# Altium PCB RP2040_GSM.PcbDoc (part 4 of 4)
Units mil, origin at the board's own origin, x right, y up, seen from the top; angles counter-clockwise.
Board outline 6397 x 3950 mil, 4 copper layers (Top Layer, GND_LAYER, PWR_LAYER, Bottom Layer), stack 43.712 mil thick; 216 components, 143 nets, 777 pads, 222 vias.
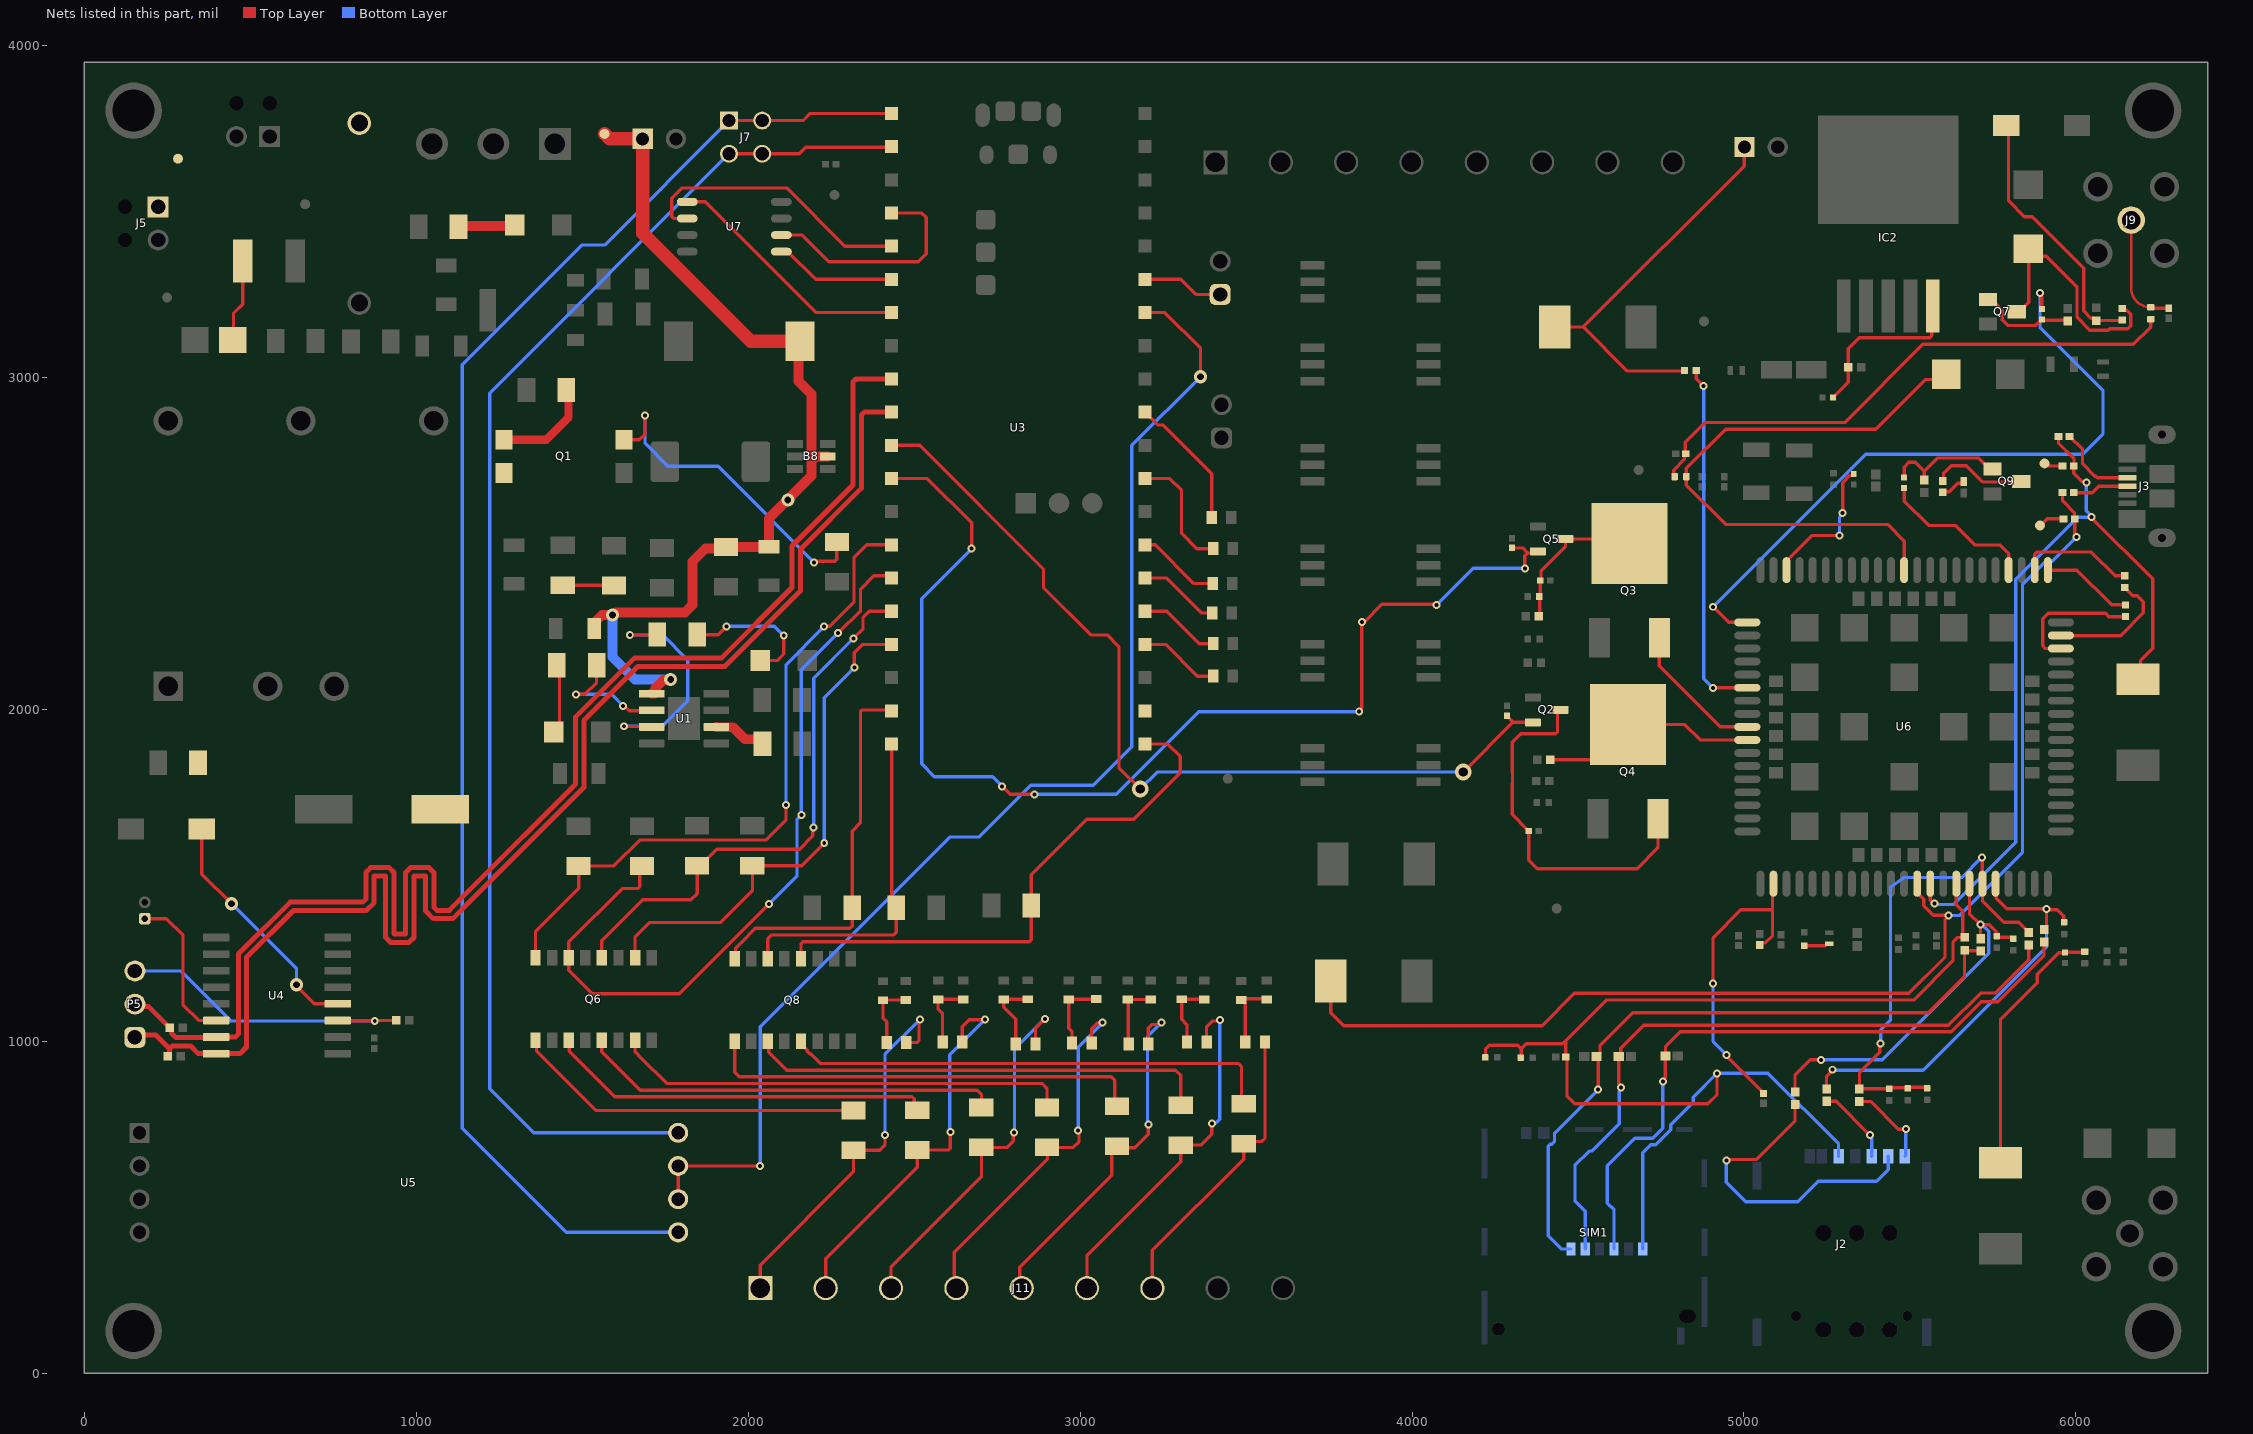
[diagram p6: the nets of this part, all layers, seen from the top]

## Via types
v1: diameter 40, hole 20, Top Layer to Bottom Layer, 92 vias
v2: diameter 24, hole 12, Top Layer to Bottom Layer, 81 vias
v3: diameter 31.5, hole 15.75, Top Layer to Bottom Layer, 47 vias
v4: diameter 50, hole 28, Top Layer to Bottom Layer, 2 vias

## Nets (pads, with @x,y where several pads share a name; then routed paths per layer and width w, separated by ;. In a path a pad name is that pad's centre, name@x,y a point inside that pad or via, vN(x,y) a via of type N, cw(c..) or ccw(c..) an arc to the next point about the centre after c; other vN are vias at no path point) (continued)
NetC24_2: C24.2 R21.2 SIM1.C2 | length 2018.6
  Top Layer w10: v2(4756,880.17) 4756,883.96 4762.64,890.6 4762.64,954.82 C24.2@4764,956.17 4764,985.19 4807.81,1029 5624.6,1029 5715.33,1119.73 5764.73,1119.73 5904.13,1259.13 5904.13,1299 R21.2@5905.55,1300.42
  Bottom Layer w10: SIM1.C2@4608.69,375 4608.69,492.7 4588.09,513.3 4588.09,625.09 4671.9,708.89 4725.8,708.89 4756,739.09 v2(4756,880.17)
NetC25_2: C25.2 R22.2 SIM1.C3 | length 2069.7
  Top Layer w10: v2(4630.31,861.16) 4630.31,864.95 4623,872.26 C25.2@4623,955.17 4629.28,961.45 4629.28,980.28 4698,1049 5616.32,1049 5713.32,1146 5757.17,1146 5858,1246.83 R22.2@5858,1291
  Bottom Layer w10: SIM1.C3@4522.08,375 4522.08,488.45 4490.95,519.59 4490.95,627.14 4533.81,670 4542.13,670 4624,751.87 4624,851.06 4630.31,857.37 v2(4630.31,861.16)
NetC26_2: C26.2 R23.2 R24.2 SIM1.C7 | length 2043.5
  Top Layer w10: v2(4561,855.17) 4561,950.01 C26.2@4555.84,955.17 4557.19,955.17 4566.21,964.19 4566.21,987.82 4665.39,1087 5555.54,1087 5665,1196.46 R24.2@5665,1275.31 ; R24.2@5665,1275.31 5666.51,1273.81 5711.49,1273.81 R23.2@5713,1272.3
  Bottom Layer w10: SIM1.C7@4478.77,375 4449.99,375 4410.31,414.68 4410.31,684.85 4416.17,690.71 4420.61,690.71 4429.4,699.5 4429.4,723.57 v2(4561,855.17)
NetC27_1: C27.1 R25.1 R26.2 | length 1689
  Top Layer w10: R26.2@4791.28,2702 4788.44,2704.84 4788.44,2721.97 4821.02,2754.55 4821.02,2767.1 C27.1@4824.92,2771 ; C27.1@4822.97,2772.95 4822.97,2806.26 4881.71,2865 5304,2865 5539.64,3100.64 6173.69,3100.64 6226,3152.95 R25.1@6226,3176.74
NetC28_1: C28.1 J9.1 R25.2 | length 351.7
  Top Layer w8.04: J9.1@6167,3475 6167,3271.18 ccw(c6226,3271.18) 6219.19,3212.57 R25.2@6226,3212.18
  Top Layer w10: R25.2@6226,3212.18 6229.06,3209.12 C28.1@6279.94,3209.12
NetC31_2: C31.2 R76.1 U6.90 | length 954.6
  Top Layer w10: v2(4907,1175) 4907,1313 4990.82,1396.82 5086.48,1396.82 ; v2(4947,960) 4947,956.45 5059.17,844.28 C31.2@5059.17,843.49 ; R76.1@5048,1291.27 5053.83,1297.09 5065.04,1297.09 5086.48,1318.53 5086.48,1396.82 ; U6.90@5089.09,1475.56 5086.48,1472.95 5086.48,1396.82
  Bottom Layer w10: v2(4907,1175) 4907,1000 v2(4947,960)
NetC35_2: C35.2 D15.2 R83.2 | length 786.7
  Top Layer w10: D15.2@5773,634.92 5773,1066 5884.42,1177.42 5884.42,1203.4 5948.86,1267.83 R83.2@5968,1267.83 5969.21,1269.05 6027.17,1269.05 C35.2@6027.17,1271.16
NetCN2_1: CN2.1 D12.2 R74.2 | length 1204.5
  Top Layer w10: D12.2@4430.08,3143.78 D12.2@4430.08,3153 ; D12.2@4430.08,3157.92 D12.2@4430.08,3153 ; R74.2@4821.28,3022 4819.43,3020.14 4648.86,3020.14 4516,3153 ; CN2.1@5002,3695 5001,3694 5001,3638 4516,3153 ; D12.2@4430.08,3153 4516,3153
NetD1_1: D1.1 R3.2 | length 417.3
  Top Layer w10: R3.2@1846,2226 1910,2226 v2(1935,2251) ; D1.1@2036.13,2148 2087.32,2148 2107,2167.68 v2(2107,2223)
  Bottom Layer w10: v2(1935,2251) 2079,2251 v2(2107,2223)
NetD2_1: D2.1 R5.2 | length 171.2
  Top Layer w30: R5.2@1127.04,3455 1129.54,3457.5 1293.63,3457.5 D2.1@1296.13,3460
NetD3_1: D3.1 PTC_F1.1 | length 250.4
  Top Layer w10: D3.1@447.09,3114 449,3115.91 449,3194 477,3222 PTC_F1.1@477,3352
NetD6_2: D6.2 R26.1 U6.60 | length 1762.7
  Top Layer w10: R26.1@4826.72,2701.02 4826.72,2676.85 4945.57,2558 5432.92,2558 5482.79,2508.13 U6.60@5482.79,2420.44 ; R26.1@4826.72,2702 4826.72,2726.72 4945,2845 5397.38,2845 5547.02,2994.64 5594.19,2994.64 D6.2@5609.54,3010
NetD11_2: D11.2 Q7.3 R70.1 | length 744.8
  Top Layer w10: Q7.3@5822.31,3199 5830.18,3199 5858,3226.82 D11.2@5858,3387.54 ; D11.2@5857,3388.54 D11.2@5858,3387.54 ; R70.1@6140,3209.18 6145.83,3203.35 6153.26,3203.35 6165.83,3190.78 6165.83,3156.7 6157.04,3147.92 6102.1,3147.92 6097.49,3143.31 6042.55,3143.31 6003.8,3182.06 6003.8,3273.2 5910.63,3366.37 5879.17,3366.37 D11.2@5858,3387.54
NetD14_1: D14.1 R80.1 | length 77.7
  Top Layer w10: R80.1@5599,2655.83 5600.14,2656.97 5618.97,2656.97 5644.02,2682.02 5658.16,2682.02 5663,2686.86 D14.1@5663,2687.72
NetDS1_1: DS1.1 R4.2 | length 211.4
  Top Layer w10: DS1.1@1414.13,1933 1431.13,1950 1431.13,2125.83 R4.2@1422.96,2134
NetDS2_2: DS2.2 DS10.1 R58.1 | length 201.7
  Top Layer w10: DS10.1@2409.44,1124.96 2474.5,1124.96 DS2.2@2475,1125.46 ; DS10.1@2409.94,1124.46 DS10.1@2406,1124.46 2406,1071 2416.94,1060.06 R58.1@2416.94,997
NetDS3_2: DS3.2 DS11.1 R59.1 | length 210.9
  Top Layer w10: DS11.1@2573,1127 DS3.2@2647.46,1127 ; DS11.1@2577.21,1126.73 2572,1121.52 2572,1097 2585.47,1083.53 R59.1@2585.47,998
NetDS4_2: DS4.2 DS12.1 R60.1 | length 221
  Top Layer w10: R60.1@2806.47,993 2806.47,1067.53 2770,1104 DS12.1@2770,1126.46 2771,1127.46 DS4.2@2842,1127.46
NetDS5_2: DS5.2 DS13.1 R61.1 | length 218
  Top Layer w10: R61.1@2975.47,995 2975.47,1030.53 2966,1040 DS13.1@2966,1126.46 2966.77,1127.23 3047.23,1127.23 DS5.2@3048,1128
NetDS6_2: DS6.2 DS14.1 R62.1 | length 204.1
  Top Layer w10: R62.1@3146,992 3145,993 3145,1117.46 DS14.1@3147.5,1119.96 ; DS14.1@3148,1122.46 DS14.1@3144,1126.46 DS6.2@3213,1126.46
NetDS7_2: DS7.2 DS15.1 R63.1 | length 208.4
  Top Layer w10: DS15.1@3302.06,1127.46 DS15.1@3306,1127.46 ; R63.1@3322,998 3322,1051 3306,1067 DS15.1@3306,1127.46 ; DS7.2@3374,1126.46 3373,1127.46 DS15.1@3306,1127.46
NetDS8_2: DS8.2 DS16.1 R64.1 | length 210.4
  Top Layer w10: DS16.1@3485,1125.46 3488.94,1125.46 3495.75,1118.65 3495.75,1114.71 3498,1112.46 R64.1@3498,998 ; DS16.1@3488,1128.46 3559,1128.46 DS8.2@3562,1131.46
NetIC2_5: IC2.5 R6.2 R7.2 | length 523.7
  Top Layer w10: R7.2@5268.9,2941 5314.31,2986.41 R6.2@5314.31,3032 5314.31,3087.68 5347.27,3120.64 5559.64,3120.64 5566.35,3127.35 5566.35,3213.33 IC2.5@5569.02,3216
NetJ2_C2: J2.C2 R53.2 | length 238.8
  Top Layer w10: R53.2@5249.17,820 5278,820 v2(5380,718)
  Bottom Layer w10: v2(5380,718) 5380,714.21 5385.28,708.94 J2.C2@5385.28,654.44
NetJ2_C3: J2.C3 R50.2 | length 257.2
  Top Layer w10: R50.2@5348.17,819.83 5348.67,819.33 5381.68,819.33 5465.01,736 v2(5488,736)
  Bottom Layer w10: J2.C3@5485.28,654.44 5488,657.17 v2(5488,736)
NetJ2_C7: J2.C7 R65.2 | length 964.8
  Top Layer w10: v2(4947,642) 4949.68,644.68 5038.1,644.68 5154.17,760.75 R65.2@5154.17,810
  Bottom Layer w10: v2(4947,642) 4947,576 5006,517 5161.66,517 5223.47,578.81 5399.81,578.81 5435.28,614.28 J2.C7@5435.28,654.44
NetJ3_2: J3.2 R66.1 | length 251.3
  Top Layer w10: R66.1@5981.46,2823 5982.45,2823 6020.54,2784.91 6020.54,2740.46 6057.41,2703.59 6060.56,2703.59 6065.47,2698.68 J3.2@6155.28,2698.68
NetJ3_3: J3.3 R67.1 | length 168.5
  Top Layer w10: R67.1@5994.72,2654 6050.33,2654 6069.42,2673.09 J3.3@6155.28,2673.09
NetL1_2: L1.2 R75.1 | length 77.3
  Top Layer w10: R75.1@5182,1288.82 5182.17,1288.99 5245.65,1288.99 5251.09,1294.44 L1.2@5257,1294.44
NetP2_1: P2.1 U3.35 | length 245.8
  Top Layer w10: U3.35@3194.97,3296.41 3303.59,3296.41 3349,3251 P2.1@3422,3251
NetP4_1: P4.1 U4.14 | length 465.1
  Top Layer w10: P4.1@181.75,1370.28 182.02,1370 247,1370 297,1320 297,1110 343.59,1063.41 U4.14@396.73,1063.41
NetQ1_1: Q1.1 R57.1 | length 307.9
  Top Layer w25: Q1.1@1263.9,2813 1391,2813 1458.64,2880.64 1458.64,2956.39 R57.1@1452.04,2963
NetQ1_4: Q1.4 R56.1 | length 994.1
  Top Layer w10: Q1.4@1626.1,2813 1672,2813 1689,2830 v2(1689,2887) ; v2(2198,2444) 2200.68,2446.68 2210.47,2446.68 2210.65,2446.86 2261.14,2446.86 2267,2452.72 R56.1@2267,2505
  Bottom Layer w10: v2(1689,2887) 1689,2802 1758,2733 1909,2733 v2(2198,2444)
NetQ3_3: Q3.3 U6.9 | length 426
  Top Layer w10: Q3.3@4745.16,2216.54 4745.16,2131.84 4929,1948 U6.9@5010.35,1948
NetQ4_4: Q4.4 R17.2 U6.10 | length 656.8
  Top Layer w10: R17.2@4416.69,1849 4545,1849 Q4.4@4651,1955 4821.5,1955 4867.87,1908.63 U6.10@5010.35,1908.63
NetQ6_1: Q6.1 R29.1 | length 1063.1
  Top Layer w10: Q6.1@1359,1003.98 1362.26,1000.72 1362.26,971.22 1541.44,792.04 R29.1@2317,792.04
NetQ6_3: Q6.3 R32.1 | length 1170.1
  Top Layer w10: Q6.3@1459,1003.98 1460.78,1002.2 1460.78,971.22 1598.39,833.61 2493.39,833.61 2500,827 2500,802.04 R32.1@2509,793.04
NetQ6_5: Q6.5 R33.1 | length 1271.9
  Top Layer w10: Q6.5@1559,1003.98 1559,968.79 1674.18,853.61 2689.39,853.61 2703,840 2703,802.04 R33.1@2702,801.04
NetQ6_7: Q6.7 R34.1 | length 1379.4
  Top Layer w10: Q6.7@1659,1003.98 1659,969.25 1678.25,950 1678.25,949.75 1754.39,873.61 2885.14,873.61 2900,858.76 R34.1@2900,801.04
NetQ6_10: Q6.10 R38.1 U3.17 | length 1528.7
  Top Layer w10: Q6.10@1659,1252.02 1659,1315 1702.43,1358.43 1915.43,1358.43 2013,1456 2013,1528.96 R38.1@2012,1529.96 2160.96,1529.96 v2(2229,1598) ; v2(2319.76,2126.5) 2319.76,2171.76 2344.41,2196.41 U3.17@2431.98,2196.41
  Bottom Layer w10: v2(2229,1598) 2229,2035.74 v2(2319.76,2126.5)
NetQ6_12: Q6.12 R37.1 U3.16 | length 1682
  Top Layer w10: Q6.12@1559,1252.02 1559,1304 1682,1427 1827,1427 1846,1446 R37.1@1846,1529.96 1855.84,1529.96 1905.65,1579.77 2154.65,1579.77 2194.32,1619.44 2194.32,1642.32 v2(2197,1645) ; v2(2317,2214.38) 2346,2243.38 2346,2277.72 2364.69,2296.41 U3.16@2431.98,2296.41
  Bottom Layer w10: v2(2197,1645) 2197,2094.38 v2(2317,2214.38)
NetQ6_14: Q6.14 R28.2 U3.15 | length 2353.8
  Top Layer w10: R28.2@1679.67,1528.96 1673,1522.29 1673,1466.86 1667.14,1461 1620,1461 1459,1300 Q6.14@1459,1252.02 1459,1215 1530,1144 1792,1144 2022.59,1374.59 v2(2062,1414) ; v2(2271,2231) 2338.42,2298.42 2338.42,2363.42 2378,2403 2425.39,2403 U3.15@2431.98,2396.41
  Bottom Layer w10: v2(2062,1414) 2147,1499 2147,1670 v2(2160,1683) 2160,2120 v2(2271,2231)
NetQ6_16: Q6.16 R27.2 U3.14 | length 2027
  Top Layer w10: Q6.16@1359,1252.02 1359,1332 1489,1462 R27.2@1489,1528.96 1595.46,1528.96 1673.97,1607.46 2053.63,1607.46 2114,1667.83 v2(2114,1713) ; v2(2228,2250) 2228.89,2250.89 2245.29,2250.89 2318.42,2324.02 2318.42,2457.65 2357.17,2496.41 U3.14@2431.98,2496.41
  Bottom Layer w10: v2(2114,1713) 2114,2136 v2(2228,2250)
NetQ7_1: Q7.1 R72.2 R73.1 | length 299.2
  Top Layer w10: Q7.1@5735.69,3236.4 5750.38,3221.72 5760.28,3221.72 5778.25,3203.75 5778.25,3174.6 5795.14,3157.71 5880,3157.71 R72.2@5898,3175.71 5900.13,3173.59 5973.87,3173.59 R73.1@5976,3171.46
NetQ8_1: Q8.1 R46.1 | length 1329.2
  Top Layer w10: Q8.1@1959,1000.98 1959,908 1973.39,893.61 3093.14,893.61 3104,882.76 3104,811.35 R46.1@3110.64,804.72
NetQ8_3: Q8.3 R48.1 | length 1394.2
  Top Layer w10: Q8.3@2059,1000.98 2061.78,998.2 2061.78,968.22 2116.39,913.61 3287.39,913.61 3303,898 R48.1@3303,808.04
NetQ8_5: Q8.5 R49.1 | length 1480.5
  Top Layer w10: Q8.5@2159,1000.98 2159,993.11 2178.25,973.86 2178.25,971.15 2187.04,962.36 2189.75,962.36 2218.5,933.61 3477.39,933.61 3486,925 3486,819.04 R49.1@3493,812.04
NetQ8_12: Q8.12 R54.1 U3.21 | length 1689
  Top Layer w10: Q8.12@2159,1249.02 2159,1295.14 2164.86,1301 2847.18,1301 2853.04,1306.86 R54.1@2853.04,1410 2853.04,1503.17 3020,1670.13 3162.13,1670.13 3302.13,1810.13 3302.13,1858.87 3264.59,1896.41 U3.21@3194.97,1896.41
NetQ8_14: Q8.14 R44.2 U3.20 | length 1028.5
  Top Layer w10: Q8.14@2059,1249.02 2059,1309.14 2070.86,1321 2438,1321 2445.96,1328.96 R44.2@2445.96,1403 2431.98,1416.98 U3.20@2431.98,1896.41
NetQ8_16: Q8.16 R43.2 U3.19 | length 1165.8
  Top Layer w10: Q8.16@1959,1249.02 1961.78,1251.8 1961.78,1281.78 1978.25,1298.25 2021,1341 2306.45,1341 2313.04,1347.59 R43.2@2313.04,1403 2313.04,1634.04 2338,1659 2338,1993.14 2343.86,1999 2429.39,1999 U3.19@2431.98,1996.41
NetQ9_1: Q9.1 R81.2 R82.2 | length 371.4
  Top Layer w10: R81.2@5482.8,2699.2 5482.8,2730.8 5497,2745 5516,2745 5543,2718 ; R82.2@5543,2691.7 5543,2718 ; Q9.1@5749,2725 5741.13,2725 5708.13,2758 5583,2758 5543,2718
NetQ9_3: Q9.3 R80.2 | length 288.8
  Top Layer w10: R80.2@5599,2688.46 5601.39,2690.85 5601.39,2711.39 5625,2735 5670,2735 5718.92,2686.08 5834.09,2686.08 Q9.3@5835.61,2687.6
NetR2_1: R2.1 U1.2 | length 161.5
  Top Layer w30: U1.2@1903.88,1948 1904.37,1948 1905.37,1947 1954,1947 1990.16,1910.84 2031.39,1910.84 2042.96,1899.26 R2.1@2042.96,1897
NetR3_1: R3.1 U1.7 | length 719.5
  Top Layer w10: v2(1626,1950) 1627,1949 1708,1949 U1.7@1709,1948 ; v2(1643,2225) 1724.92,2225 R3.1@1725.92,2226
  Bottom Layer w10: v2(1626,1950) 1741,1950 1818,2027 1818,2149 1742,2225 v2(1643,2225)
NetR4_1: R4.1 U1.6 | length 378.2
  Top Layer w10: v2(1481,2046) 1508,2046 1543.04,2081.04 R4.1@1543.04,2134 ; v2(1623,2011) 1626.79,2011 1640.79,1997 1708,1997 U1.6@1709,1998
  Bottom Layer w10: v2(1481,2046) 1588,2046 v2(1623,2011)
NetR36_1: R36.1 U3.31 | length 410.1
  Top Layer w10: U3.31@3194.97,2896.41 3233.46,2857.92 3249.16,2857.92 3396.47,2710.61 R36.1@3396.47,2579
NetR39_1: R39.1 U3.29 | length 369.7
  Top Layer w10: U3.29@3194.97,2696.41 3269.77,2696.41 3305.7,2660.48 3305.7,2531.3 3352,2485 R39.1@3401.47,2485
NetR40_1: R40.1 U3.27 | length 252.7
  Top Layer w10: U3.27@3194.97,2496.41 3226.59,2496.41 3343,2380 R40.1@3399.47,2380
NetR41_1: R41.1 U3.26 | length 246.2
  Top Layer w10: U3.26@3194.97,2396.41 3260.59,2396.41 3366,2291 R41.1@3397.47,2291
NetR42_1: R42.1 U3.25 | length 246.9
  Top Layer w10: U3.25@3194.97,2296.41 3261.59,2296.41 3359,2199 R42.1@3401.47,2199
NetR45_1: R45.1 U3.24 | length 246
  Top Layer w10: U3.24@3194.97,2196.41 3257.59,2196.41 3353,2101 R45.1@3401.47,2101
NetR52_1: R52.1 R55.2 | length 155.4
  Top Layer w10: R55.2@1441,2374.92 1595.04,2374.92 R52.1@1596,2373.96
NetR68_2: R68.2 TP9.1 | length 56.6
  Top Layer w10: TP9.1@5906,2742 5911.41,2742 5919.41,2734 R68.2@5959.28,2734
NetR69_2: R69.2 TP10.1 | length 80
  Top Layer w10: TP10.1@5892,2555 5894.43,2555 5914.43,2575 5962.27,2575 R69.2@5963.27,2574
NetR70_2: R70.2 R71.1 X1.A1 | length 798.4
  Top Layer w10: X1.A1@5790.7,3760 5797.51,3753.19 5797.51,3532.72 5845.24,3485 5868.76,3485 6023.8,3329.97 6023.8,3201.6 6045.78,3179.61 6053.85,3179.61 R71.1@6062,3171.46 6063.14,3172.6 6138.86,3172.6 R70.2@6140,3173.74
NetR72_1: R72.1 U6.1 | length 2066.9
  Top Layer w10: v2(4907,2310) 4954.04,2262.96 U6.1@5010.35,2262.96 ; v2(5892,3255) 5892,3251.21 5898,3245.21 R72.1@5898,3207.21
  Bottom Layer w10: v2(4907,2310) 5367,2770 6021.5,2770 6082,2830.5 6082,2962.86 5892,3152.86 v2(5892,3255)
NetR74_1: R74.1 U6.6 | length 1081.6
  Top Layer w10: R74.1@4856.72,3022 4856.72,2997.28 v2(4879,2975) ; v2(4907,2065) 4907.56,2065.56 4978.55,2065.56 4979.1,2066.11 U6.6@5010.35,2066.11
  Bottom Layer w10: v2(4879,2975) 4879,2093 v2(4907,2065)
NetR77_2: R77.2 U6.96 | length 351.8
  Top Layer w10: U6.96@5876.49,2420.44 5876.49,2468.95 5882.35,2474.81 6047.19,2474.81 6118.57,2403.43 R77.2@6147.83,2403.43
NetR78_2: R78.2 U6.95 | length 277.3
  Top Layer w10: U6.95@5915.86,2420.44 6003.23,2420.44 6107.96,2315.72 R78.2@6149.83,2315.72
NetR79_2: R79.2 U6.98 | length 425.7
  Top Layer w10: U6.98@5128.46,2420.44 5128.46,2448 5205.46,2525 v2(5288,2525) ; v2(5297,2592) 5298,2593 5298,2683.93 5319.71,2705.64 5327.14,2705.64 R79.2@5331,2709.5
  Bottom Layer w10: v2(5288,2525) 5288,2579.21 5297,2588.21 v2(5297,2592)
NetR81_1: R81.1 U6.52 | length 468.5
  Top Layer w10: R81.1@5482.8,2667.7 5483.61,2666.9 5483.61,2628.39 5557,2555 5637,2555 5695.66,2496.34 5770.66,2496.34 5797.75,2469.25 U6.52@5797.75,2420.44
NetU3_22: U3.22
NetU3_34: U3.34 U5.6 U5.7 | length 3734.8
  Top Layer w10: U5.6@1788.81,525 U5.7@1788.81,625 v2(2036,625) ; U3.34@3194.97,3196.41 3254.62,3196.41 3362.79,3088.24 v1(3362.79,3002.79)
  Bottom Layer w10: v2(2036,625) 2036,1045 2607,1616 2694.82,1616 2850.82,1772 3039.8,1772 3156,1888.2 3156,2796 v1(3362.79,3002.79)
NetU4_4: U4.4 X2.A1 | length 737.8
  Top Layer w10: X2.A1@353.3,1640 353.3,1504.7 v1(443,1415) ; v1(639,1171) 639,1167 692.59,1113.41 U4.4@763.27,1113.41
  Bottom Layer w10: v1(443,1415) 639,1219 v1(639,1171)
P_1_7: J11.1 R29.2 R58.2 | length 1159.2
  Top Layer w10: J11.1@2036.6,257 2036.6,326.6 2317,607 R29.2@2317,671.96 2395.96,671.96 2412,688 v2(2412,719) ; R58.2@2476,997 2508.46,997 2514.32,1002.86 2514.32,1063.32 v2(2517,1066)
  Bottom Layer w10: v2(2412,719) 2412,961 v2(2517,1066)
P_2_7: J11.2 R32.2 R59.2 | length 1188.3
  Top Layer w10: J11.2@2233.45,257 2233.45,345.45 2509,621 R32.2@2509,672.96 2603.14,672.96 2609,678.82 v2(2609,727) ; R59.2@2644.53,998 2644.53,1044.53 2666,1066 v2(2713,1066)
  Bottom Layer w10: v2(2609,727) 2607,729 2607,960 v2(2713,1066)
P_3_7: J11.3 R33.2 R60.2 | length 1136.4
  Top Layer w10: J11.3@2430.3,257 2430.3,321.3 2703,594 2703,679.96 R33.2@2702,680.96 2779.96,680.96 2798.32,699.32 2798.32,723.32 v2(2801,726) ; R60.2@2865.53,993 2865.53,1039.53 v2(2894,1068)
  Bottom Layer w10: v2(2801,726) 2802,727 2802,976 v2(2894,1068)
P_4_7: J11.4 R34.2 R61.2 | length 1125.4
  Top Layer w10: J11.4@2627.15,257 2621.04,263.11 2621.04,364.79 2901.5,645.24 2901.5,672.66 2905.15,676.31 R34.2@2900.5,680.96 ; R34.2@2900,680.96 R34.2@2900.5,680.96 ; v2(2994,732) 2996.68,729.32 2996.68,697.68 2979.96,680.96 R34.2@2900.5,680.96 ; R61.2@3034.53,995 3034.53,1038.53 3051.41,1055.41 3066.41,1055.41 v2(3068,1057)
  Bottom Layer w10: v2(2994,732) 2994,983 v2(3068,1057)
P_5_7: J11.5 R46.2 R62.2 | length 1111.3
  Top Layer w10: J11.5@2824,257 2818,263 2818,320 3095.7,597.7 3095.7,669.7 3105.72,679.72 3164.72,679.72 3205.64,720.64 v2(3205.64,749.68) ; R62.2@3205.06,992 3205.06,1040.38 3215.94,1051.26 3239.26,1051.26 v2(3245,1057)
  Bottom Layer w10: v2(3205.64,749.68) 3203,752.31 3203,1015 v2(3245,1057)
P_6_7: J11.6 R48.2 R63.2 | length 1140.3
  Top Layer w10: J11.6@3020.85,257 3020.85,355.85 3303,638 R48.2@3303,687.96 ; R48.2@3282.28,667.24 R48.2@3303,687.96 ; R63.2@3381.06,998 3381.06,1045.06 3397.75,1061.75 3417.75,1061.75 v2(3421,1065) ; v2(3397,752.96) 3397,720.96 3364,687.96 R48.2@3303,687.96
  Bottom Layer w10: v2(3397,752.96) 3399.68,755.64 3410.38,755.64 3421,766.25 v2(3421,1065)
P_7_7: J11.7 R49.2 R64.2 | length 909.7
  Top Layer w10: J11.7@3217.7,257 3217.7,370.4 3493,645.7 R49.2@3493,691.96 3500.04,699 3548,699 3557.06,708.06 R64.2@3557.06,998
Power_GND: C8.1 D4.2 J5.1 Q1.2 R31.1 TP3.1
RX_0_5: J7.03 J7.04 U3.2 U5.8 | length 4237.4
  Top Layer w10: J7.03@1942,3675 J7.04@2042,3675 2153,3675 2173,3695 2430.57,3695 U3.2@2431.98,3696.41
  Bottom Layer w10: U5.8@1788.81,725 1354,725 1221,858 1221,2954 J7.03@1942,3675
RX_1(H)_6: C12.1 Q3.4 Q5.3 R13.1 R15.2 | length 463
  Top Layer w10: R13.1@4382,2282 4381.5,2282.5 4385.36,2286.36 4385.36,2337.64 4386.47,2338.76 R15.2@4386.47,2389 ; R15.2@4388.72,2389 4388.72,2418.93 4462.73,2492.95 Q5.3@4462.73,2514 4641,2514 Q3.4@4655,2500
RX_1(L): Q5.2 R16.2 U3.12 | length 3512.9
  Top Layer w10: U3.12@2431.98,2696.41 2539.59,2696.41 2673,2563 v2(2673,2485) ; v2(2765,1769) 2789,1745 v2(2862,1745) ; v2(3841,1994) 3841,1997.79 3849,2005.79 v2(3849,2264) 3855.82,2264 3908.96,2317.14 4072.69,2317.14 v2(4074.2,2315.62) ; R16.2@4301,2487.24 4333.12,2487.24 4348.54,2471.82 ; v2(4340,2426) 4340,2463.29 4348.54,2471.82 ; Q5.2@4379.27,2476.6 4366.87,2476.6 4362.09,2471.82 4348.54,2471.82
  Bottom Layer w10: v2(2673,2485) 2522.88,2334.88 2522.88,1836.26 2561.14,1798 2736,1798 v2(2765,1769) ; v2(2862,1745) 3108.43,1745 3357.43,1994 v2(3841,1994) ; v2(4074.2,2315.62) 4184.59,2426 v2(4340,2426)
SDA_N: P5.1 R8.2 U3.10 U4.16 | length 4215.4
  Top Layer w15: P5.1@152,1012.68 159.66,1020.34 197.21,1020.34 197.55,1020 214.09,1020 256.09,978 256.09,960.78 R8.2@251.31,956 ; 256.31,978 264.61,986.3 319.7,986.3 342.59,963.41 U4.16@396.73,963.41 468.41,963.41 488.37,983.37 488.37,1253.47 629.9,1395 824.05,1395 849.22,1395 872.65,1418.43 872.65,1498.86 907.65,1498.86 907.65,1313.5 922.3,1298.86 978.01,1298.86 992.65,1313.5 992.65,1498.86 1027.65,1498.86 1027.65,1393.75 1051.09,1370.32 1109.52,1370.32 1161.21,1422.01 1505,1765.8 1505,1967.91 1526.41,1989.32 1667.09,2130 1929.34,2130 2157,2357.66 2157,2482.74 2340.88,2666.62 2340.88,2887.62 2349.66,2896.41 U3.10@2431.98,2896.41
SDA_P: P5.2 R9.2 U3.9 U4.15 | length 4263.4
  Top Layer w15: P5.2@152,1112.68 158.42,1106.26 191.94,1106.26 250.91,1047.3 251.02,1047.3 252.48,1045.84 R9.2@252.48,1045.72 ; R9.2@252.84,1045.48 R9.2@256.31,1042 261.61,1036.7 261.61,1025.74 275.64,1011.7 395.03,1011.7 U4.15@396.73,1013.41 396.97,1013.17 454.59,1013.17 463.37,1021.96 463.37,1263.83 619.55,1420 824.05,1420 838.87,1420 847.65,1428.79 847.65,1509.21 862.3,1523.86 918.01,1523.86 932.65,1509.21 932.65,1323.86 967.65,1323.86 967.65,1509.21 982.3,1523.86 1038.01,1523.86 1052.65,1509.21 1052.65,1404.11 1061.44,1395.32 1099.17,1395.32 1161.21,1457.37 1480,1776.16 1480,1978.26 1501.41,1999.67 1656.74,2155 1918.98,2155 2132,2368.02 2132,2493.1 2315.88,2676.97 2315.88,2987.62 2324.66,2996.41 U3.9@2431.98,2996.41
SPI_CLK_5: U3.4 U7.6 | length 698.6
  Top Layer w10: U7.6@2099.73,3430 2163,3430 2243.09,3349.91 2512.91,3349.91 2536,3373 2536,3483 2522.59,3496.41 U3.4@2431.98,3496.41
SPI_CS_5: U3.7 U7.1 | length 753.9
  Top Layer w10: U7.1@1816.27,3530 1871,3530 2204.59,3196.41 U3.7@2431.98,3196.41
SPI_RX_5: U3.6 U7.5 | length 366.9
  Top Layer w10: U7.5@2099.73,3380 2119.42,3380 2203.01,3296.41 U3.6@2431.98,3296.41
SPI_TX_5: U3.5 U7.2 | length 851.9
  Top Layer w10: U7.2@1816.27,3480 1775.63,3480 1769.77,3485.86 1769.77,3541.11 1800.67,3572 2115.33,3572 2290.92,3396.41 U3.5@2431.98,3396.41
SQW_5: P5.3 R10.1 U4.3 | length 962.6
  Top Layer w10: U4.3@763.27,1063.41 763.71,1062.96 874.17,1062.96 v2(874.61,1062.51) 875.36,1063.26 938.89,1063.26 R10.1@939.63,1064
  Bottom Layer w10: P5.3@152,1212.68 289.32,1212.68 440,1062 874.1,1062 v2(874.61,1062.51)
TX_0_5: J7.01 J7.02 U3.1 U5.5 | length 4689.1
  Top Layer w10: J7.01@1942,3775 J7.02@2042,3775 2165,3775 2186.41,3796.41 U3.1@2431.98,3796.41
  Bottom Layer w10: U5.5@1788.81,425 1452,425 1138,739 1138,3039.85 1498.15,3400 1567,3400 J7.01@1942,3775
TX_1(H)_6: Q2.3 Q4.3 R12.2 | length 1103.1
  Top Layer w10: R12.2@4347.39,1638.84 4302,1684.24 4302,1776.43 4303,1777.43 4303,1810.57 4302,1811.57 4302,1901.72 4327.28,1927 4431.75,1927 4438.61,1933.86 4438.61,1992.19 4445.42,1999 Q2.3@4447.73,1999 ; R12.2@4352.24,1634 4352.24,1546.76 4378,1521 4678,1521 4741.16,1584.16 Q4.3@4741.16,1671.54
TX_1(L): Q2.2 R14.2 U3.11 | length 2729.7
  Top Layer w10: U3.11@2431.98,2796.41 2516.59,2796.41 2889.66,2423.34 2889.66,2367.34 3032,2225 3082.08,2225 3116.98,2190.1 3116.98,1825.02 v4(3181,1761) ; v4@4154,1822 v4(4154,1812) 4303.6,1961.6 4305.65,1961.6 ; R14.2@4286,1982.24 4286,1981.25 4305.65,1961.6 ; Q2.2@4364.27,1961.6 4305.65,1961.6
  Bottom Layer w10: v4(3181,1761) 3232,1812 v4(4154,1812)
UART_RXD_6: R78.1 U6.49 | length 399.2
  Top Layer w10: U6.49@5955.23,2184.22 5908.78,2184.22 5900.86,2192.14 5900.86,2274.07 5916.79,2290 6089.71,2290 6099.43,2280.28 R78.1@6149.83,2280.28
UART_TXD_6: R77.1 U6.50 | length 384.9
  Top Layer w10: U6.50@5955.23,2223.59 5956.23,2222.59 6135,2222.59 6203.83,2291.42 6203.83,2325 6185.24,2343.59 6172.24,2343.59 R77.1@6147.83,2368
USB_DN_6: D9.2 R66.2 R68.1 U6.28 | length 2362.6
  Top Layer w10: U6.28@5561.53,1475.56 5561.53,1425.33 5571.62,1415.23 v2(5574.23,1415.23) ; R66.2@5948,2823 5948,2802 5994.72,2755.28 R68.1@5994.72,2734 ; R68.1@5993.73,2734 5993.73,2712.34 6018.4,2687.68 6029.32,2687.68 v2(6032,2685) ; v2(6047,2580) 6047,2578.91 6232,2393.91 6232,2185 6195.31,2148.31 6195.31,2099.23 D9.2@6188,2091.92
  Bottom Layer w10: v2(5574.23,1415.23) 5576.47,1413 5632,1413 5819.34,1600.34 5819.34,2393.55 6005.79,2580 v2(6047,2580) 6047,2583.79 6032,2598.79 v2(6032,2685)
USB_DP_6: D10.2 R67.2 R69.1 U6.27 | length 3820.7
  Top Layer w10: D10.2@3755.08,1182 3755.08,1086.92 3794,1048 4392.23,1048 4489.23,1145 5497,1145 5606,1254 5606,1367.14 5617,1378.14 v2(5617,1380) 5616.84,1380.16 5571.13,1380.16 5541.53,1409.76 5541.53,1428.63 5522.16,1448 U6.27@5522.16,1475.56 ; R67.2@5960.27,2654 5960.27,2629.73 5996.03,2593.97 5996.03,2574.7 R69.1@5996.73,2574 5996.73,2529.06 6002,2523.79 v2(6002,2520)
  Bottom Layer w10: v2(5617,1380) 5650,1380 5839.34,1569.34 5839.34,2376.06 5909.97,2446.69 5928.69,2446.69 v2(6002,2520)
USIM_CLK_6: D18.2 D21.2 D22.2 R22.1 R50.1 U6.32 | length 1471.9
  Top Layer w10: R50.1@5348.17,857.23 5348.17,906.17 5409.32,967.32 5409.32,991.32 v2(5412,994) ; R50.1@5348.66,857.72 D21.2@5438,857.72 ; D21.2@5440.61,860.32 5492.39,860.32 D22.2@5494,858.72 5497.5,862.22 5549.22,862.22 D18.2@5552,859.43 ; v2(5717,1555) 5718,1554 U6.32@5718,1475.56 ; U6.32@5719.01,1475.56 5719.01,1423.08 5782.28,1359.8 5828.68,1359.8 5834.54,1353.95 5834.54,1352.85 5858,1329.39 R22.1@5858,1328.4
  Bottom Layer w10: v2(5412,994) 5412,1035 5442,1065 5442,1465 5483,1494 5656,1494 v2(5717,1555)
USIM_DATA_6: D17.2 D20.2 R23.1 R65.1 U6.31 | length 1190.9
  Top Layer w10: R65.1@5154.17,847.4 5154.17,899.75 5199.42,945 v2(5232,945) ; U6.31@5679.64,1475.56 5679.64,1385.43 v2(5713,1352.07) ; R23.1@5713,1309.7 v2(5713,1352.07) ; D20.2@5812,1310 5808.05,1313.95 5765.95,1313.95 D17.2@5762,1317.89 5762,1330 5740,1352 5713.07,1352 v2(5713,1352.07)
  Bottom Layer w10: v2(5232,945) 5417,945 5738.19,1266.19 5738.19,1332.34 5724.82,1345.71 5723.15,1345.71 5716.79,1352.07 v2(5713,1352.07)
USIM_RST_6: D19.2 R21.1 R53.1 U6.33 | length 1333.9
  Top Layer w10: R53.1@5249.17,857.4 5249.17,894.64 5267,912.47 v2(5267,915) ; U6.33@5758.38,1475.56 5760.15,1473.79 5760.15,1431.85 5792,1400 v2(5912,1400) ; R21.1@5905.55,1337.82 5912,1344.28 v2(5912,1400) ; D19.2@5964.62,1359.35 5963.75,1360.22 5963.75,1377.93 5944.36,1397.32 5914.68,1397.32 v2(5912,1400)
  Bottom Layer w10: v2(5267,915) 5269,913 5539.76,913 5912,1285.24 v2(5912,1400)
USIM_VDD_6: C17.1 D16.2 D23.2 J2.C1 R24.1 SIM1.C1 U6.30 | length 3672.7
  Top Layer w10: D23.2@4221.28,952 4221.28,977.28 4233,989 4319,989 4329.51,978.49 ; D16.2@4327.26,952.04 4329.51,954.29 4329.51,978.49 ; C17.1@4462.96,953 4462.96,1002.96 ; C17.1@4466.96,949 4466.96,836.21 4491,812.17 4891,812.17 4919,840.17 v2(4919,904.17) ; U6.30@5640.27,1475.56 5640.27,1412.65 5659.64,1393.28 5659.64,1320.05 R24.1@5665,1314.68 ; R24.1@5665.93,1313.76 R24.1@5665,1314.68 ; 4329.51,978.49 4344.03,993 4453,993 4462.96,1002.96 ; 4462.96,1002.96 4585,1125 5512,1125 5630,1243 5630,1299.76 5643.89,1313.65 5663.97,1313.65 R24.1@5665,1314.68
  Bottom Layer w10: SIM1.C1@4695.31,375 4695.31,664.91 4719.28,688.89 4734.09,688.89 4779.72,734.52 4779.72,749.32 4847.03,816.64 4847.03,832.2 v2(4919,904.17) 5072.4,904.17 5285.28,691.29 J2.C1@5285.28,654.44
Vbat_4: B8.5 C3.1 C29.1 CN1.1 L2.2 R51.2 TP5.1 U1.5 | length 2868.2
  Top Layer w30: C3.1@1536.07,2244 1541.74,2249.67 1541.74,2267.19 1559.31,2284.76 1590.76,2284.76 v1(1591,2285) 1593.71,2285 1601.71,2293 1809,2293 1832,2316 1832,2446 1871.2,2485.2 1928.16,2485.2 R51.2@1933,2490.04 ; U1.5@1709,2048 1717.59,2048 1720.78,2051.19 1720.78,2065.24 1744.63,2089.09 1764.09,2089.09 v1(1766,2091) ; R51.2@1933,2490.56 2061.48,2490.56 C29.1@2062,2491.07 2062,2575.86 2117.66,2631.52 v1(2119.48,2631.52) ; v1@2119.71,2634 2164.05,2678.34 2164.32,2678.34 2190,2704.02 2190,2760 ; L2.2@2142.07,3096 2152,3086.07 2152,2989 2190,2951 2190,2760 ; B8.5@2239.21,2763 2238.62,2762.41 2205.24,2762.41 2202.83,2760 2190,2760
  Top Layer w40: TP5.1@1567,3735 1582,3720 CN1.1@1682,3720 1682,3435.45 2007.45,3110 L2.2@2156.07,3110
  Bottom Layer w30: v1(1591,2285) 1591,2159 1659,2091 v1(1766,2091)
pads on no net: B2.2 B3.2 B4.2 B5.2 B6.2 B7.2 B8.6 IC2.6 J1.MH1 J1.MH2 J2. J2.C6 J2.CD J3.4 J5.MH1 J5.MH2 J11.8 Q8.7 Q8.10 SIM1. SIM1.C6 SIM1.P$7 SIM1.P$8 SIM1.P$9 SIM1.P$10 SIM1.P$13 SIM1.P$14 SIM1.P$15 SIM1.P$16 SIM1.P$17 SIM1.P$18 SIM1.SW1 SIM1.SW2 SW1.3 U3.30 U3.36 U3.39 U3.40 U3.A U3.B U3.C U3.D U3.E U3.G U3.TP1 U3.TP2 U3.TP3 U3.TP6 U4.1 U4.5 U4.6 U4.7 U4.8 U4.9 U4.10 U4.11 U4.12 U5.2 U5.3 U6.3 U6.4 U6.5 U6.7 U6.8 U6.11 U6.12 U6.13 U6.14 U6.16 U6.17 U6.18 U6.19 U6.21 U6.22 U6.23 U6.26 U6.34 U6.35 U6.36 U6.37 U6.38 U6.40 U6.41 U6.42 U6.43 U6.44 U6.47 U6.48 U6.51 U6.53 U6.54 U6.66 U6.67 U6.68 U6.93 U6.94 U6.99 U6.100 U6.101 U6.102 U6.103 U6.104 U6.105 U6.106 U6.107 U6.108 U6.109 U6.110 U6.111 U6.112 U6.113 U6.114 U6.115 U6.117 U6.118 U6.119 U6.120 U6.121 U6.122 U6.123 U6.124 U7.3 U7.7

## Polygon pours and split planes (outlines as drawn)
GND on Top Layer "Top Layer-GND 2" (solid, remove dead copper, pour order 60): 154 vertices, not listed, extent 5196.35,1263.65 5537.99,1427.09
GND on Top Layer "NONET_L-01_P-001" (solid, remove dead copper, pour order 63): 82.28,3900 cw(c80.17,3878.68) 91.28,3897 6344.73,3897 6349.27,50 67.28,50 ccw(c67.28,55) 72.28,55 72.28,3895.24
Comm_7 on Top Layer "COMM_7_L01_P009" (solid, remove dead copper, pour order 9): 1292,1050 1292,935 2327,935 2367,975 2367,1160 3446.9,1155 3457,75 3717,75 3717,955 3682,990 3682,1250 2278,1250 2200,1172 2200,1050
Power_GND on Top Layer "NONET_L02_P-001" (solid, remove dead copper, pour order 3): 987.96,2008.84 977,2771 1341,2771 1341,2699 1341,2586.29 1220.92,2586.29 1178.8,1599 557,1599 557,1764.71 73,1764.71 73,2030.88
Power_GND on Top Layer "NONET_L02_P-001" (solid, remove dead copper, pour order 8): 73,2023.72 67,2029.72 67,3600 152,3600 337,3785 762,3785 807,3830 892,3830 892,3705 822,3635 352,3635 317,3600 462,3455 462,1760 77.71,1760 73,1764.71
GND on Top Layer "Top Layer-GND" (solid, remove dead copper, pour order 32): 5071.21,1381.94 5082.75,1377.16 5092.66,1369.55 5100.27,1359.64 5105.05,1348.1 5106.68,1335.72 5106.68,1316.9 5245.02,1316.9 5253.67,1325.55 5256.16,1327.46 5258.38,1329.67 5261.1,1331.24 5263.59,1333.15 5266.48,1334.35 5269.2,1335.92 5273.03,1337.51 5276.06,1338.32 5278.95,1339.52 5282.06,1339.93 5285.09,1340.74 5288.23,1340.74 5291.34,1341.15 5298.81,1341.15 5302.9,1344.28 5314.44,1349.07 5326.83,1350.7 5355.17,1350.7 5367.56,1349.07 5379.1,1344.28 5389.01,1336.68 5396.62,1326.77 5401.4,1315.23 5403.03,1302.84 5403.03,1272.92 5401.4,1260.54 5396.62,1248.99 5389.01,1239.08 5379.1,1231.48 5367.56,1226.7 5355.17,1225.07 5326.83,1225.07 5314.44,1226.7 5308.11,1229.32 5304.75,1225.97 5302.26,1224.06 5300.05,1221.84 5297.33,1220.27 5294.84,1218.36 5291.94,1217.16 5289.23,1215.59 5285.4,1214.01 5283.17,1213.41 5282.37,1213.2 5279.47,1212 5276.36,1211.59 5273.33,1210.77 5270.2,1210.77 5267.09,1210.36 5030.96,1210.36 5027.85,1210.77 5024.71,1210.77 5021.68,1211.59 5018.57,1212 5015.68,1213.2 5012.65,1214.01 5010.48,1214.9 5008.82,1215.59 5006.1,1217.16 5003.21,1218.36 5000.72,1220.27 4998,1221.84 4995.78,1224.06 4993.3,1225.97 4976.34,1242.93 4974.43,1245.41 4972.21,1247.63 4970.64,1250.35 4968.73,1252.84 4967.53,1255.73 4965.96,1258.45 4964.74,1261.41 4961.38,1261.85 4949.84,1266.63 4939.93,1274.23 4932.32,1284.14 4927.54,1295.69 4925.91,1308.07 4925.91,1330.12 4927.54,1342.5 4932.32,1354.05 4939.93,1363.96 4949.84,1371.56 4961.38,1376.34 4973.76,1377.97 4994.24,1377.97 5006.62,1376.34 5010.23,1374.85 5013.25,1377.16 5024.79,1381.94 5037.17,1383.57 5058.83,1383.57
GND on Top Layer "Top Layer-GND 1" (solid, remove dead copper, pour order 53): 6185.07,3570.59 6199.14,3566.82 6209.2,3562.66 6221.81,3555.37 6230.45,3548.75 6235.6,3543.6 6240.75,3538.45 6247.37,3529.81 6254.66,3517.2 6258.82,3507.14 6262.59,3493.07 6264.01,3482.28 6264.01,3475 6264.01,3467.72 6262.59,3456.93 6258.82,3442.86 6254.66,3432.8 6247.37,3420.19 6240.75,3411.55 6235.6,3406.4 6230.45,3401.25 6227.15,3398.72 6227.15,3278.02 6234.37,3278.02 6237.99,3277.54 6241.65,3277.54 6245.18,3276.59 6248.81,3276.12 6252.19,3274.72 6255.05,3273.95 6255.27,3274.04 6269.71,3275.94 6290.18,3275.94 6304.62,3274.04 6318.08,3268.46 6329.63,3259.6 6338.5,3248.04 6344.07,3234.58 6345.98,3220.14 6345.98,3198.09 6344.07,3183.65 6338.5,3170.2 6329.63,3158.64 6318.08,3149.77 6304.62,3144.2 6290.18,3142.3 6269.71,3142.3 6255.27,3144.2 6246.31,3147.91 6245.18,3147.76 6241.65,3146.81 6237.99,3146.81 6234.37,3146.34 6217.63,3146.34 6214.01,3146.81 6210.35,3146.81 6206.82,3147.76 6203.19,3148.24 6199.81,3149.64 6196.28,3150.58 6194.4,3151.36 6191.23,3153.19 6189.74,3153.81 6188.45,3154.8 6181.79,3158.65 6181.78,3158.65 6178.43,3162.01 6174.76,3163.38 6164.01,3169.13 6159.57,3172.32 6154.92,3175.21 6145.5,3182.94 6141.76,3186.93 6137.76,3190.67 6130.03,3200.1 6127.14,3204.74 6123.95,3209.19 6118.21,3219.94 6116.28,3225.06 6114.02,3230.05 6110.48,3241.71 6109.59,3247.11 6108.35,3252.44 6107.33,3262.74 6107.33,3262.76 6107.33,3262.77 6107.15,3264.57 6107.24,3267.12 6106.85,3270.04 6106.85,3398.72 6103.55,3401.25 6098.4,3406.4 6093.25,3411.55 6086.63,3420.19 6079.34,3432.8 6075.18,3442.86 6071.41,3456.93 6069.99,3467.72 6069.99,3475 6069.99,3482.28 6071.41,3493.07 6075.18,3507.14 6079.34,3517.2 6086.63,3529.81 6093.25,3538.45 6098.4,3543.6 6103.55,3548.75 6112.19,3555.37 6124.8,3562.66 6134.86,3566.82 6148.93,3570.59 6159.72,3572.01 6167,3572.01 6174.28,3572.01
GND on Top Layer "Top Layer-GND 3" (solid, remove dead copper, pour order 61): 204 vertices, not listed, extent 5916.01,332.47 6251.75,786.34
GND on Bottom Layer "Bottom Layer-GND" (solid, remove dead copper, pour order 62): 326 vertices, not listed, extent 5418.01,631.01 6035.99,1458.27
GND on Bottom Layer "NONET_L-01_P-001" (solid, remove dead copper, pour order 64): 72,3895.24 6332.46,3896.95 6337,50 75.47,50
GND on GND_LAYER (split plane): 6376.9,20.1 20.1,20.1 20.1,3929.9 6376.9,3929.9
5V on PWR_LAYER (split plane): 6376.9,20.1 20.1,20.1 20.1,3929.9 6376.9,3929.9
24v_4 on PWR_LAYER (split plane): 397.9,3353.89 397.9,2977.11 367.89,2947.1 210.11,2947.1 160.1,2997.11 160.1,3463.9 287.89,3463.9
3V3 on PWR_LAYER (split plane): 2187.4,1582.4 2189.05,1581.29 2191,1580.9 2583.89,1580.9 2645.9,1518.89 2645.9,1339.11 2620.89,1314.1 1217,1314.1 1215.05,1313.71 1213.4,1312.6 1097.4,1196.6 1096.29,1194.95 1095.9,1193 1095.9,1063.11 866.89,834.1 246.11,834.1 193.1,887.11 193.1,1180.9 801,1180.9 802.95,1181.29 804.6,1182.4 1364.11,1741.9 2027.89,1741.9
3V3 on PWR_LAYER (split plane): 4454.9,2736.89 4454.9,2037.11 4328.89,1911.1 4180.11,1911.1 4163.1,1928.11 4163.1,2035 4163.1,2773.89 4232.11,2842.9 4348.89,2842.9
4V on PWR_LAYER (split plane): 5612.9,3459.89 5612.9,1237.11 5504.89,1129.1 5317.78,1129.1 5030.27,1416.6 5028.62,1417.71 5026.67,1418.1 4376.11,1418.1 4311.1,1483.11 4311.1,1635.89 4355.11,1679.9 4387,1679.9 4388.95,1680.29 4390.6,1681.4 4576.6,1867.4 4577.71,1869.05 4578.1,1871 4578.1,2866.89 4724.11,3012.9 4888,3012.9 4889.95,3013.29 4891.6,3014.4 5408.11,3530.9 5541.89,3530.9

## Other copper
Top Layer:
  pour cut-out: 184 vertices and 0 holes, not listed, extent 5948.22,364.19 6220.02,754.34
  pour cut-out: 5479.53,1394.78 5481.09,1394.78 5485.77,1393.85 5485.78,1393.85 5488.31,1392.8 5491.49,1391.48 5495.46,1388.83 5497.65,1386.65 5499.83,1384.46 5502.48,1380.49 5503.8,1377.31 5504.85,1374.78 5504.85,1374.77 5505.78,1370.09 5505.78,1363.91 5504.85,1359.23 5504.85,1359.22 5503.8,1356.69 5502.48,1353.51 5499.83,1349.54 5497.65,1347.35 5495.46,1345.17 5491.49,1342.52 5488.31,1341.2 5485.78,1340.15 5485.77,1340.15 5481.09,1339.22 5474.91,1339.22 5470.23,1340.15 5470.22,1340.15 5467.69,1341.2 5464.51,1342.52 5460.54,1345.17 5458.55,1347.16 5454.81,1347.16 5419.08,1311.43 5413.93,1307.99 5411.04,1306.79 5410.11,1306.41 5406.24,1305.64 5404.04,1305.2 5369.66,1305.2 5366.38,1300.29 5361.24,1296.86 5355.17,1295.65 5326.83,1295.65 5320.76,1296.86 5315.62,1300.29 5312.18,1305.44 5312.08,1305.92 5273.6,1305.92 5269.8,1305.16 5244.2,1305.16 5238.14,1306.37 5233,1309.81 5229.56,1314.95 5228.35,1321.02 5228.35,1334.8 5229.56,1340.86 5233,1346 5238.14,1349.44 5244.2,1350.65 5269.8,1350.65 5275.86,1349.44 5277.35,1348.45 5312.82,1348.45 5315.62,1352.63 5320.76,1356.07 5326.83,1357.28 5355.17,1357.28 5361.24,1356.07 5366.38,1352.63 5369.66,1347.73 5395.23,1347.73 5430.96,1383.46 5436.11,1386.9 5439,1388.1 5439.93,1388.48 5443.8,1389.25 5446,1389.69 5461.82,1389.69 5464.51,1391.48 5467.69,1392.8 5470.22,1393.85 5470.23,1393.85 5474.91,1394.78 5476.47,1394.78 5478,1395.09
  pour cut-out: 152 vertices and 0 holes, not listed, extent 6101.63,3174.21 6314.06,3540.37
  pour cut-out: 5064.89,1350.36 5070.04,1346.93 5073.47,1341.78 5074.68,1335.72 5074.68,1312.09 5073.47,1306.03 5070.04,1300.89 5064.89,1297.45 5058.83,1296.24 5037.17,1296.24 5035.62,1296.55 5035.26,1296.19 5035.26,1289.4 5039.77,1284.89 5258.28,1284.89 5276.3,1302.92 5281.45,1306.35 5285.27,1307.94 5285.93,1308.07 5289.14,1308.71 5291.34,1309.15 5312.34,1309.15 5315.62,1314.05 5320.76,1317.49 5326.83,1318.7 5355.17,1318.7 5361.24,1317.49 5366.38,1314.05 5369.82,1308.91 5371.03,1302.84 5371.03,1272.92 5369.82,1266.85 5366.38,1261.71 5361.24,1258.28 5355.17,1257.07 5326.83,1257.07 5320.76,1258.28 5315.62,1261.71 5312.34,1266.62 5300.15,1266.62 5282.12,1248.59 5276.98,1245.16 5274.08,1243.96 5273.15,1243.57 5269.28,1242.8 5267.09,1242.37 5030.96,1242.37 5027.94,1242.97 5024.89,1243.57 5022.65,1244.5 5021.07,1245.16 5018.48,1246.88 5015.92,1248.59 4998.96,1265.55 4996.67,1268.99 4995.53,1270.7 4994.33,1273.59 4993.94,1274.52 4993.17,1278.39 4992.74,1280.59 4992.74,1292.22 4973.76,1292.22 4967.7,1293.43 4962.55,1296.86 4959.12,1302 4957.91,1308.07 4957.91,1330.12 4959.12,1336.18 4962.55,1341.33 4967.7,1344.76 4973.76,1345.97 4994.24,1345.97 5000.3,1344.76 5005.45,1341.33 5008.88,1336.18 5008.93,1335.93 5009.26,1335.87 5011.03,1335.13 5013.08,1334.28 5013.16,1334.23 5013.49,1334.56 5018.63,1338 5021.53,1339.2 5022.06,1339.42 5022.53,1341.78 5025.96,1346.93 5031.11,1350.36 5037.17,1351.57 5058.83,1351.57
Bottom Layer:
  pour cut-out: 254 vertices and 0 holes, not listed, extent 5450.22,663.22 6003.78,1426.26
PWR_LAYER (plane layer: these items are gaps in the copper):
  lines w10: 1726,3070 1726,2948 1717,2939 1584,2939 1535,2988 1535,3095 1535,3180 2009,3654 3173,3654 3368,3459 3368,3337 3350,3319 3021,3319 2855,3485 2141,3485 ; 155,2995 155,3469 290,3469 403,3356 403,2975 370,2942 208,2942 155,2995 ; 188,885 244,829 869,829 1101,1061 1101,1193 1217,1309 2623,1309 2651,1337 2651,1521 2586,1586 2191,1586 2030,1747 1362,1747 801,1186 188,1186 188,885 ; 4158,1926 4178,1906 4331,1906 4460,2035 4460,2739 4351,2848 4230,2848 4158,2776 4158,2035 4158,1926 ; 4306,1481 4374,1413 5026.67,1413 5315.67,1124 5507,1124 5618,1235 5618,3462 5544,3536 5406,3536 4888,3018 4722,3018 4573,2869 4573,1871 4387,1685 4353,1685 4306,1638 4306,1481

## Silkscreen, mask and mechanical layers (free items; w line width, h text height)
Top Overlay:
  text "SPI" at 2170.39,3438 h40
  text "Antenna" at 5996,3382.36 h40 r90
  text "GPIO OUTPUT" at 4042.09,3380 h40
  text "USB_HOST" at 6137.87,2925.66 h40
  text "OPTOCOUPLER" at 3614,2554.57 h40 r90
  text "RTC" at 502.2,1383 h40
  text "OPTOCOUPLER" at 1842,942.57 h40 r90
  text "GNSS Antenna" at 5904.33,851 h40
  text "GPIO INPUT" at 2665.51,496 h40
  text "TTL to RS485" at 670.75,189 h40